# Altium PCB spin5v1_simple.PcbDoc (part 25 of 25)
Units mm, origin at the board's own origin, x right, y up, seen from the top; angles counter-clockwise.
Board outline 220.03 x 233.43 mm, 2 copper layers (TOP, BOTTOM), stack 0.176 mm thick; 1457 components, 4724 nets, 19245 pads, 25289 vias.
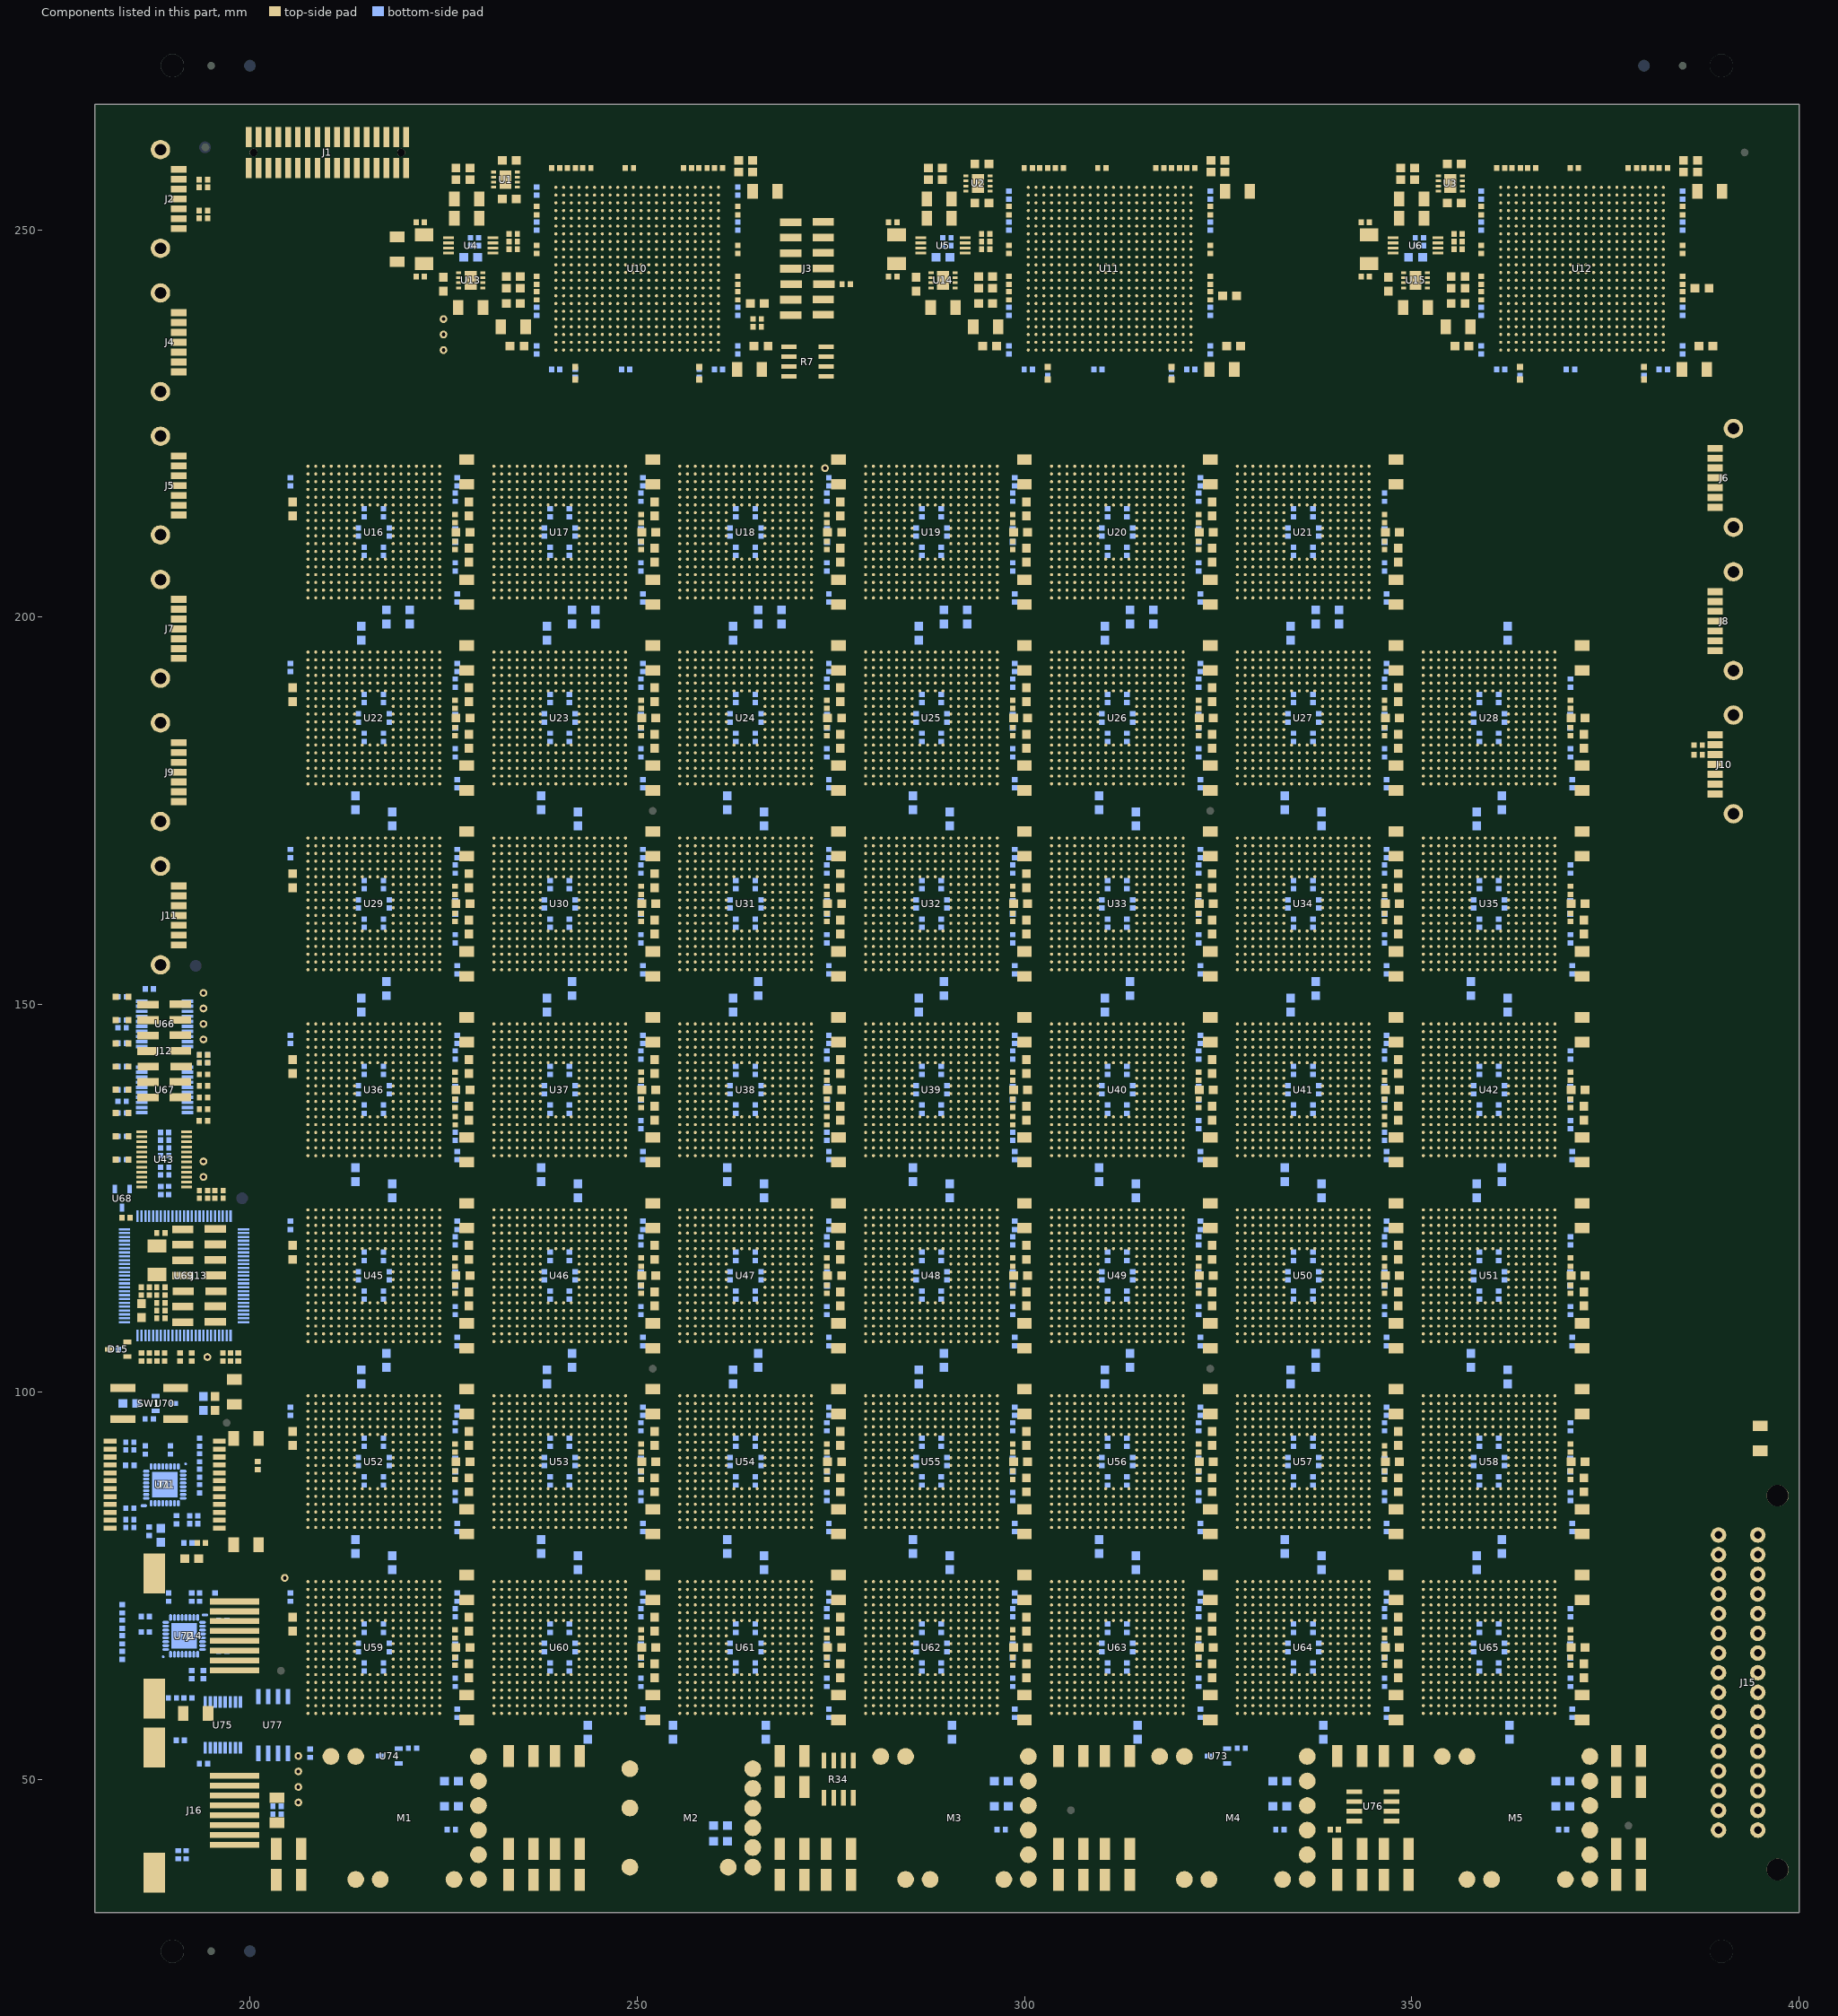
[diagram p25: the components of this part, seen from the top]

## Keep-outs
TOP:
  region: 193.5,272.7 193.5,269.7 196.5,269.7 196.5,272.7 193.5,272.7
  region: 391.5,261.5 391.5,258.5 394.5,258.5 394.5,261.5 391.5,261.5
  region: 193.5,29.3 193.5,26.3 196.5,26.3 196.5,29.3 193.5,29.3
  region: 202.5,65.5 202.5,62.5 205.5,62.5 205.5,65.5 202.5,65.5
  region: 192.751,262.169 192.751,259.169 195.751,259.169 195.751,262.169 192.751,262.169
  region: 376.5,45.5 376.5,42.5 379.5,42.5 379.5,45.5 376.5,45.5
  region: 383.5,272.7 383.5,269.7 386.5,269.7 386.5,272.7 383.5,272.7
BOTTOM:
  region: 200,124 200,126 198,126 198,124 200,124
  region: 253,174 253,176 251,176 251,174 253,174
  region: 307,45 307,47 305,47 305,45 307,45
  region: 201,270.2 201,272.2 199,272.2 199,270.2 201,270.2
  region: 253,102 253,104 251,104 251,102 253,102
  region: 325,102 325,104 323,104 323,102 325,102
  region: 325,174 325,176 323,176 323,174 325,174
  region: 381,270.2 381,272.2 379,272.2 379,270.2 381,270.2
  region: 194.5,156.5 194.5,153.5 191.5,153.5 191.5,156.5 194.5,156.5
  region: 394.5,261.5 394.5,258.5 391.5,258.5 391.5,261.5 394.5,261.5
  region: 201.5,29.3 201.5,26.3 198.5,26.3 198.5,29.3 201.5,29.3
  region: 205.5,65.5 205.5,62.5 202.5,62.5 202.5,65.5 205.5,65.5
  region: 195.703,262.169 195.703,259.169 192.703,259.169 192.703,262.169 195.703,262.169
  region: 379.5,45.5 379.5,42.5 376.5,42.5 376.5,45.5 379.5,45.5
  region: 198.5,97.5 198.5,94.5 195.5,94.5 195.5,97.5 198.5,97.5

## Other copper
TOP:
  pour cut-out: 250.279,46.28 250.238,46.596 250.116,46.89 249.922,47.142 249.67,47.336 249.376,47.458 249.06,47.499 248.744,47.458 248.45,47.336 248.198,47.142 248.004,46.89 247.882,46.596 247.841,46.28 247.882,45.964 248.004,45.67 248.198,45.418 248.45,45.224 248.744,45.102 249.06,45.061 249.376,45.102 249.67,45.224 249.922,45.418 250.116,45.67 250.238,45.964 250.279,46.28
  pour cut-out: 266.149,48.81 266.108,49.126 265.986,49.42 265.792,49.672 265.54,49.866 265.246,49.988 264.93,50.029 264.614,49.988 264.32,49.866 264.068,49.672 263.874,49.42 263.752,49.126 263.711,48.81 263.752,48.494 263.874,48.2 264.068,47.948 264.32,47.754 264.614,47.632 264.93,47.591 265.246,47.632 265.54,47.754 265.792,47.948 265.986,48.2 266.108,48.494 266.149,48.81
  pour cut-out: 230.734,52.94 230.693,53.256 230.571,53.55 230.377,53.802 230.125,53.996 229.831,54.118 229.515,54.159 229.199,54.118 228.905,53.996 228.653,53.802 228.459,53.55 228.337,53.256 228.296,52.94 228.337,52.624 228.459,52.33 228.653,52.078 228.905,51.884 229.199,51.762 229.515,51.721 229.831,51.762 230.125,51.884 230.377,52.078 230.571,52.33 230.693,52.624 230.734,52.94
  pour cut-out: 301.734,52.94 301.693,53.256 301.571,53.55 301.377,53.802 301.125,53.996 300.831,54.118 300.515,54.159 300.199,54.118 299.905,53.996 299.653,53.802 299.459,53.55 299.337,53.256 299.296,52.94 299.337,52.624 299.459,52.33 299.653,52.078 299.905,51.884 300.199,51.762 300.515,51.721 300.831,51.762 301.125,51.884 301.377,52.078 301.571,52.33 301.693,52.624 301.734,52.94
  pour cut-out: 337.734,52.94 337.693,53.256 337.571,53.55 337.377,53.802 337.125,53.996 336.831,54.118 336.515,54.159 336.199,54.118 335.905,53.996 335.653,53.802 335.459,53.55 335.337,53.256 335.296,52.94 335.337,52.624 335.459,52.33 335.653,52.078 335.905,51.884 336.199,51.762 336.515,51.721 336.831,51.762 337.125,51.884 337.377,52.078 337.571,52.33 337.693,52.624 337.734,52.94
  pour cut-out: 374.234,52.94 374.193,53.256 374.071,53.55 373.877,53.802 373.625,53.996 373.331,54.118 373.015,54.159 372.699,54.118 372.405,53.996 372.153,53.802 371.959,53.55 371.837,53.256 371.796,52.94 371.837,52.624 371.959,52.33 372.153,52.078 372.405,51.884 372.699,51.762 373.015,51.721 373.331,51.762 373.625,51.884 373.877,52.078 374.071,52.33 374.193,52.624 374.234,52.94
  pour cut-out: 262.979,38.65 262.938,38.966 262.816,39.26 262.622,39.512 262.37,39.706 262.076,39.828 261.76,39.869 261.444,39.828 261.15,39.706 260.898,39.512 260.704,39.26 260.582,38.966 260.541,38.65 260.582,38.334 260.704,38.04 260.898,37.788 261.15,37.594 261.444,37.472 261.76,37.431 262.076,37.472 262.37,37.594 262.622,37.788 262.816,38.04 262.938,38.334 262.979,38.65
  pour cut-out: 337.734,37.09 337.693,37.406 337.571,37.7 337.377,37.952 337.125,38.146 336.831,38.268 336.515,38.309 336.199,38.268 335.905,38.146 335.653,37.952 335.459,37.7 335.337,37.406 335.296,37.09 335.337,36.774 335.459,36.48 335.653,36.228 335.905,36.034 336.199,35.912 336.515,35.871 336.831,35.912 337.125,36.034 337.377,36.228 337.571,36.48 337.693,36.774 337.734,37.09
  pour cut-out: 374.234,37.09 374.193,37.406 374.071,37.7 373.877,37.952 373.625,38.146 373.331,38.268 373.015,38.309 372.699,38.268 372.405,38.146 372.153,37.952 371.959,37.7 371.837,37.406 371.796,37.09 371.837,36.774 371.959,36.48 372.153,36.228 372.405,36.034 372.699,35.912 373.015,35.871 373.331,35.912 373.625,36.034 373.877,36.228 374.071,36.48 374.193,36.774 374.234,37.09
  pour cut-out: 301.734,37.09 301.693,37.406 301.571,37.7 301.377,37.952 301.125,38.146 300.831,38.268 300.515,38.309 300.199,38.268 299.905,38.146 299.653,37.952 299.459,37.7 299.337,37.406 299.296,37.09 299.337,36.774 299.459,36.48 299.653,36.228 299.905,36.034 300.199,35.912 300.515,35.871 300.831,35.912 301.125,36.034 301.377,36.228 301.571,36.48 301.693,36.774 301.734,37.09
  pour cut-out: 230.734,37.09 230.693,37.406 230.571,37.7 230.377,37.952 230.125,38.146 229.831,38.268 229.515,38.309 229.199,38.268 228.905,38.146 228.653,37.952 228.459,37.7 228.337,37.406 228.296,37.09 228.337,36.774 228.459,36.48 228.653,36.228 228.905,36.034 229.199,35.912 229.515,35.871 229.831,35.912 230.125,36.034 230.377,36.228 230.571,36.48 230.693,36.774 230.734,37.09
  pour cut-out: 250.279,38.65 250.238,38.966 250.116,39.26 249.922,39.512 249.67,39.706 249.376,39.828 249.06,39.869 248.744,39.828 248.45,39.706 248.198,39.512 248.004,39.26 247.882,38.966 247.841,38.65 247.882,38.334 248.004,38.04 248.198,37.788 248.45,37.594 248.744,37.472 249.06,37.431 249.376,37.472 249.67,37.594 249.922,37.788 250.116,38.04 250.238,38.334 250.279,38.65
  pour cut-out: 266.149,41.19 266.108,41.506 265.986,41.8 265.792,42.052 265.54,42.246 265.246,42.368 264.93,42.409 264.614,42.368 264.32,42.246 264.068,42.052 263.874,41.8 263.752,41.506 263.711,41.19 263.752,40.874 263.874,40.58 264.068,40.328 264.32,40.134 264.614,40.012 264.93,39.971 265.246,40.012 265.54,40.134 265.792,40.328 265.986,40.58 266.108,40.874 266.149,41.19
  pour cut-out: 361.544,37.06 361.503,37.376 361.381,37.67 361.187,37.922 360.935,38.116 360.641,38.238 360.325,38.279 360.009,38.238 359.715,38.116 359.463,37.922 359.269,37.67 359.147,37.376 359.106,37.06 359.147,36.744 359.269,36.45 359.463,36.198 359.715,36.004 360.009,35.882 360.325,35.841 360.641,35.882 360.935,36.004 361.187,36.198 361.381,36.45 361.503,36.744 361.544,37.06
  pour cut-out: 325.044,37.06 325.003,37.376 324.881,37.67 324.687,37.922 324.435,38.116 324.141,38.238 323.825,38.279 323.509,38.238 323.215,38.116 322.963,37.922 322.769,37.67 322.647,37.376 322.606,37.06 322.647,36.744 322.769,36.45 322.963,36.198 323.215,36.004 323.509,35.882 323.825,35.841 324.141,35.882 324.435,36.004 324.687,36.198 324.881,36.45 325.003,36.744 325.044,37.06
  pour cut-out: 289.044,37.06 289.003,37.376 288.881,37.67 288.687,37.922 288.435,38.116 288.141,38.238 287.825,38.279 287.509,38.238 287.215,38.116 286.963,37.922 286.769,37.67 286.647,37.376 286.606,37.06 286.647,36.744 286.769,36.45 286.963,36.198 287.215,36.004 287.509,35.882 287.825,35.841 288.141,35.882 288.435,36.004 288.687,36.198 288.881,36.45 289.003,36.744 289.044,37.06
  pour cut-out: 218.044,37.06 218.003,37.376 217.881,37.67 217.687,37.922 217.435,38.116 217.141,38.238 216.825,38.279 216.509,38.238 216.215,38.116 215.963,37.922 215.769,37.67 215.647,37.376 215.606,37.06 215.647,36.744 215.769,36.45 215.963,36.198 216.215,36.004 216.509,35.882 216.825,35.841 217.141,35.882 217.435,36.004 217.687,36.198 217.881,36.45 218.003,36.744 218.044,37.06
  region: 251,174 253,174 253,176 251,176
  region net SENSE12C: 305,45 307,45 307,47 305,47
  region: 251,102 253,102 253,104 251,104
  region: 323,102 325,102 325,104 323,104
  region: 323,174 325,174 325,176 323,176
  region: 196,95 198,95 198,97 196,97
  text "SPIN5v1TOP" at 189.25,36 h2
BOTTOM:
  text "SPIN5v1 BOT" at 202,36 h2
Multi-Layer:
  lines w0.025: 181,24.3 399,24.3 399,275.7 181,275.7 181,24.3

## Silkscreen, mask and mechanical layers (free items; w line width, h text height)
Top Overlay:
  drawing of 19 lines, arcs and shapes, not listed
  text "Dec13" at 390.5,134 h4 r90
  text "DMC,ST" at 390.5,109.5 h4 r90
  text "University of Manchester" at 396.5,109.5 h2.7 r90
  text "SpiNN-5" at 382,108.5 h7 r90
Bottom Overlay:
  lines w0.5: 206,79 212.5,79 ; 206,103 212.5,103 ; 206,127 212.5,127 ; 206,151 212.5,151 ; 206,175 212.5,175 ; 206,199 212.5,199 ; 219.5,79 236.5,79 ; 219.5,103 236.5,103 ; 219.5,127 236.5,127 ; 219.5,151 236.5,151 ; 219.5,175 236.5,175 ; 222.5,199 236.5,199 ; 229.5,221 229.5,55 ; 242.5,55 229.5,55 ; 243.5,79 260.5,79 ; 243.5,103 250,103 ; 243.5,127 260.5,127 ; 243.5,151 260.5,151 ; 243.5,175 250,175 ; 245.5,55 253.5,55 253.5,221 ; 246.5,199 260.5,199 ; 253.5,103 260.5,103 ; 253.5,175 260.5,175 ; 256.5,55 265.5,55 ; 267.5,79 284.5,79 ; 267.5,103 284.5,103 ; 267.5,127 284.5,127 ; 267.5,151 284.5,151 ; 267.5,175 284.5,175 ; 268.5,55 289.5,55 ; 270.5,199 284.5,199 ; 277.5,55 277.5,221 ; 291.5,79 308.5,79 ; 291.5,103 308.5,103 ; 291.5,127 308.5,127 ; 291.5,151 308.5,151 ; 291.5,175 308.5,175 ; 292.5,55 313.5,55 ; 294.5,199 308.5,199 ; 301.5,55 301.5,221 ; 315.5,79 332.5,79 ; 315.5,103 322,103 ; 315.5,127 332.5,127 ; 315.5,151 332.5,151 ; 315.5,175 322,175 ; 316.5,55 337.5,55 ; 318.5,199 332.5,199 ; 325.5,55 325.5,221 ; 325.5,103 332.5,103 ; 325.5,175 332.5,175 ; 339.5,79 356.5,79 ; 339.5,103 356.5,103 ; 339.5,127 356.5,127 ; 339.5,151 356.5,151 ; 339.5,175 356.5,175 ; 340.5,55 361.5,55 ; 342.5,199 360.5,199 ; 349.5,55 349.5,221 206,221 206,55 229.5,55 ; 363.5,79 374,79 ; 363.5,103 374,103 ; 363.5,127 374,127 ; 363.5,151 374,151 ; 363.5,175 374,175 ; 363.5,199 374,199 374,55 364.5,55
  text "2,5" at 212,200 h2
  text "3,6" at 235.5,200 h2
  text "4,7" at 259.5,200 h2
  text "5,7" at 283.5,200 h2
  text "5,6" at 307.5,200 h2
  text "6,7" at 331.5,200 h2
  text "1,4" at 212,176 h2
  text "3,5" at 235.5,176 h2
  text "4,5" at 259.5,176 h2
  text "4,6" at 283.5,176 h2
  text "5,5" at 307.5,176 h2
  text "6,6" at 331.5,176 h2
  text "7,7" at 355.5,176 h2
  text "SpiNN-5" at 382,164.5 h7 r90
  text "DMC,ST" at 390.5,164 h4 r90
  text "University of Manchester" at 396.5,164 h2.7 r90
  text "0,3" at 212,152 h2
  text "2,4" at 235.5,152 h2
  text "3,4" at 259.5,152 h2
  text "4,4" at 283.5,152 h2
  text "5,4" at 307.5,152 h2
  text "6,5" at 331.5,152 h2
  text "7,6" at 355.5,152 h2
  text "Dec13" at 390.5,139.5 h4 r90
  text "1,3" at 212,128 h2
  text "2,3" at 235.5,128 h2
  text "3,3" at 259.5,128 h2
  text "4,3" at 283.5,128 h2
  text "5,3" at 307.5,128 h2
  text "6,4" at 331.5,128 h2
  text "7,5" at 355.5,128 h2
  text "0,2" at 212,104 h2
  text "1,2" at 235.5,104 h2
  text "2,2" at 259.5,104 h2
  text "3,2" at 283.5,104 h2
  text "4,2" at 307.5,104 h2
  text "6,3" at 331.5,104 h2
  text "7,4" at 355.5,104 h2
  text "0,1" at 212,80 h2
  text "1,1" at 235.5,80 h2
  text "2,1" at 259.5,80 h2
  text "4,1" at 307.5,80 h2
  text "5,2" at 331.5,80 h2
  text "7,3" at 355.5,80 h2
  text "3,1" at 283,79.5 h2
  text "0,0" at 212,56 h2
  text "1,0" at 235.5,56 h2
  text "2,0" at 261.5,56 h2
  text "3,0" at 283.5,56 h2
  text "4,0" at 307.5,56 h2
  text "5,1" at 331.5,56 h2
  text "6,2" at 355.5,56 h2
NCLEGEND-1-12:
  lines w0.025: 400.968,100.68 535.968,100.68 ; 400.968,112.68 535.968,112.68 ; 400.968,124.68 535.968,124.68 ; 400.968,136.68 535.968,136.68 ; 400.968,148.68 535.968,148.68 ; 400.968,160.68 535.968,160.68 ; 400.968,172.68 535.968,172.68 ; 400.968,184.68 535.968,184.68 ; 400.968,196.68 535.968,196.68 ; 400.968,208.68 535.968,208.68 ; 413.343,178.68 413.593,178.68 ; 413.468,178.555 413.468,178.805 ; 425.968,88.68 425.968,196.68 ; 478.968,88.68 478.968,196.68 ; 514.468,88.68 514.468,196.68 ; 400.968,88.68 535.968,88.68 535.968,215.18 400.968,215.18 400.968,88.68 ; 411.844,130.68 412.32,131.828 413.468,132.304 414.616,131.828 415.092,130.68 414.616,129.532 413.468,129.056 412.32,129.532 411.844,130.68 ; 412.068,105.28 414.868,105.28 414.868,108.08 412.068,108.08 412.068,105.28 ; 412.968,118.68 413.468,118.18 413.968,118.68 413.468,119.18 412.968,118.68 ; 412.968,142.43 412.968,142.93 413.468,143.18 413.968,142.93 413.968,142.43 413.468,142.18 412.968,142.43 ; 413.093,92.43 ccw(c413.093,94.68) 413.093,96.93 413.843,96.93 ccw(c413.843,94.68) 413.843,92.43 413.093,92.43 ; 413.218,154.68 413.343,154.93 413.593,154.93 413.718,154.68 413.593,154.43 413.343,154.43 413.218,154.68 ; 413.318,166.53 413.318,166.83 413.618,166.83 413.618,166.53 413.318,166.53
  text "DRILL CHART: TOP to BOTTOM" at 426.868,209.18 h4
  text "ALL UNITS ARE IN MILLIMETERS" at 423.668,202.68 h4
  text "FIGURE" at 403.868,190.68 h4
  text "SIZE" at 446.068,190.68 h4
  text "PLATED" at 487.118,190.68 h4
  text "QTY" at 520.418,190.68 h4
  text "0.25" at 446.068,176.68 h4
  text "PLATED" at 487.118,176.68 h4
  text "22226" at 517.218,176.68 h4
  text "0.3" at 447.668,164.68 h4
  text "PLATED" at 487.118,164.68 h4
  text "2059" at 518.818,164.68 h4
  text "0.5" at 447.668,152.68 h4
  text "PLATED" at 487.118,152.68 h4
  text "16" at 522.018,152.68 h4
  text "1.0" at 447.668,140.68 h4
  text "PLATED" at 487.118,140.68 h4
  text "32" at 522.018,140.68 h4
  text "1.5" at 447.668,128.68 h4
  text "PLATED" at 487.118,128.68 h4
  text "18" at 522.018,128.68 h4
  text "1.0" at 447.668,116.68 h4
  text "NON-PLATED" at 480.718,116.68 h4
  text "2" at 523.618,116.68 h4
  text "2.8" at 447.668,104.68 h4
  text "NON-PLATED" at 480.718,104.68 h4
  text "2" at 523.618,104.68 h4
  text "3.0" at 447.668,92.68 h4
  text "NON-PLATED" at 480.718,92.68 h4
  text "4" at 523.618,92.68 h4
NCROUTE_PATH:
  lines w2.4: 183.2,31.6 224.4,31.6 ; 183.2,267.4 224.4,267.4 ; 228.8,31.6 270,31.6 ; 228.8,267.4 270,267.4 ; 274.4,31.6 315.6,31.6 ; 274.4,267.4 315.6,267.4 ; 320,31.6 361.2,31.6 ; 320,267.4 361.2,267.4 ; 365.6,31.6 396.8,31.6 ; 365.6,267.4 396.8,267.4
  text "1" at 229.2,268.2 h4
  text "1" at 321,268.1 h4
  text "1" at 183.2,267.9 h4
  text "1" at 274.8,267.8 h4
  text "1" at 365.4,267.6 h4
  text "1" at 223.5,32.2 h4
  text "1" at 314.4,32.2 h4
  text "1" at 268,31 h4
  text "1" at 394.913,30.988 h4
  text "1" at 360.4,29.2 h4
OUTLINE:
  lines w0.025: 180,22.8 400,22.8 400,276.2 180,276.2 180,22.8 ; 180,32.8 400,32.8 400,266.2 180,266.2 180,32.8
DRAWING_ORIGIN:
  lines w0.025: 299.8,150 300.2,150 ; 300,149.8 300,150.2
PDNS_INVISIBLE:
  drawing of 66020 lines, arcs and shapes, not listed
ASSEMBLY_BOTTOM:
  circle w0.025: c199,125 r1
  circle w0.025: c252,175 r1
  circle w0.025: c306,46 r1
  circle w0.025: c200,271.2 r1
  circle w0.025: c252,103 r1
  circle w0.025: c324,103 r1
  circle w0.025: c324,175 r1
  circle w0.025: c380,271.2 r1
  circle w0.025: c193,155 r1.5
  circle w0.025: c393,260 r1.5
  circle w0.025: c200,27.8 r1.5
  circle w0.025: c204,64 r1.5
  circle w0.025: c194.203,260.669 r1.5
  circle w0.025: c378,44 r1.5
  circle w0.025: c197,96 r1.5
AUTOSILK_BOTTOM:
  text "F*" at 196,275.2 h0.64
  text "F*" at 376,275.2 h0.64
ASSEMBLY_TOP:
  circle w0.025: c306,46 r1
  circle w0.025: c197,96 r1
  circle w0.025: c195,271.2 r1.5
  circle w0.025: c393,260 r1.5
  circle w0.025: c195,27.8 r1.5
  circle w0.025: c194.251,260.669 r1.5
  circle w0.025: c378,44 r1.5
  circle w0.025: c385,271.2 r1.5
  text "TH*" at 191.5,273.7 h0.64
  text "TH*" at 391.5,273.7 h0.64
  text "F*" at 194,272.95 h0.64
  text "F*" at 384,272.95 h0.64
  text "F*" at 193.251,262.419 h0.8
  text "F*" at 392,261.75 h0.8
  text "F*" at 251.25,176.5 h0.8
  text "F*" at 323.25,176.5 h0.8
  text "F*" at 251.25,104.5 h0.8
  text "F*" at 323.25,104.5 h0.8
  text "F*" at 196.25,97.5 h0.8
  text "F*" at 203,65.75 h0.8
  text "F*" at 305.25,47.5 h0.8
  text "F*" at 377,45.75 h0.8
  text "TH*" at 191.5,30.3 h0.64
  text "TH*" at 391.5,30.3 h0.64
  text "F*" at 194,29.55 h0.64
PLACE_BOUND_TOP:
  region: 251,174 253,174 253,176 251,176
  region: 305,45 307,45 307,47 305,47
  region: 251,102 253,102 253,104 251,104
  region: 323,102 325,102 325,104 323,104
  region: 323,174 325,174 325,176 323,176
  region: 196,95 198,95 198,97 196,97
  region: 193.5,269.7 196.5,269.7 196.5,272.7 193.5,272.7
  region: 391.5,258.5 394.5,258.5 394.5,261.5 391.5,261.5
  region: 193.5,26.3 196.5,26.3 196.5,29.3 193.5,29.3
  region: 202.5,62.5 205.5,62.5 205.5,65.5 202.5,65.5
  region: 192.751,259.169 195.751,259.169 195.751,262.169 192.751,262.169
  region: 376.5,42.5 379.5,42.5 379.5,45.5 376.5,45.5
  region: 383.5,269.7 386.5,269.7 386.5,272.7 383.5,272.7
  region: 188.5,269.7 191.5,269.7 191.5,272.7 188.5,272.7
  region: 388.5,269.7 391.5,269.7 391.5,272.7 388.5,272.7
  region: 388.5,26.3 391.5,26.3 391.5,29.3 388.5,29.3
  region: 188.5,26.3 191.5,26.3 191.5,29.3 188.5,29.3

## Text inside footprints (layer, text, board x,y; h text height)
C1: PIN_NUMBER "1" at 233.76,259.62 h0.8 r270; PIN_NUMBER "2" at 231.96,259.65 h0.8 r270
C2: PIN_NUMBER "1" at 262.46,258.38 h0.8 r90; PIN_NUMBER "2" at 264.26,258.35 h0.8 r90
C3: PIN_NUMBER "1" at 323.46,258.38 h0.8 r90; PIN_NUMBER "2" at 325.26,258.35 h0.8 r90
C4: PIN_NUMBER "1" at 384.46,258.38 h0.8 r90; PIN_NUMBER "2" at 386.26,258.35 h0.8 r90
C5: PIN_NUMBER "1" at 294.76,259.12 h0.8 r270; PIN_NUMBER "2" at 292.96,259.15 h0.8 r270
C6: PIN_NUMBER "1" at 355.76,259.12 h0.8 r270; PIN_NUMBER "2" at 353.96,259.15 h0.8 r270
C7: PIN_NUMBER "1" at 227.76,258.62 h0.8 r270; PIN_NUMBER "2" at 225.96,258.65 h0.8 r270
C8: PIN_NUMBER "1" at 238.59,257.61 h0.8 r90; PIN_NUMBER "2" at 239.74,257.55 h0.8 r90
C9: PIN_NUMBER "1" at 240.59,257.61 h0.8 r90; PIN_NUMBER "2" at 241.74,257.55 h0.8 r90
C10: PIN_NUMBER "1" at 242.59,257.61 h0.8 r90; PIN_NUMBER "2" at 243.74,257.55 h0.8 r90
C11: PIN_NUMBER "1" at 255.59,257.61 h0.8 r90; PIN_NUMBER "2" at 256.74,257.55 h0.8 r90
C12: PIN_NUMBER "1" at 257.59,257.61 h0.8 r90; PIN_NUMBER "2" at 258.74,257.55 h0.8 r90
C13: PIN_NUMBER "1" at 259.59,257.61 h0.8 r90; PIN_NUMBER "2" at 260.74,257.55 h0.8 r90
C14: PIN_NUMBER "1" at 288.76,258.62 h0.8 r270; PIN_NUMBER "2" at 286.96,258.65 h0.8 r270
C15: PIN_NUMBER "1" at 299.59,257.61 h0.8 r90; PIN_NUMBER "2" at 300.74,257.55 h0.8 r90
C16: PIN_NUMBER "1" at 301.59,257.61 h0.8 r90; PIN_NUMBER "2" at 302.74,257.55 h0.8 r90
C17: PIN_NUMBER "1" at 303.59,257.61 h0.8 r90; PIN_NUMBER "2" at 304.74,257.55 h0.8 r90
C18: PIN_NUMBER "1" at 316.59,257.61 h0.8 r90; PIN_NUMBER "2" at 317.74,257.55 h0.8 r90
C19: PIN_NUMBER "1" at 318.59,257.61 h0.8 r90; PIN_NUMBER "2" at 319.74,257.55 h0.8 r90
C20: PIN_NUMBER "1" at 320.59,257.61 h0.8 r90; PIN_NUMBER "2" at 321.74,257.55 h0.8 r90
C21: PIN_NUMBER "1" at 349.76,258.62 h0.8 r270; PIN_NUMBER "2" at 347.96,258.65 h0.8 r270
C22: PIN_NUMBER "1" at 360.59,257.61 h0.8 r90; PIN_NUMBER "2" at 361.74,257.55 h0.8 r90
C23: PIN_NUMBER "1" at 362.59,257.61 h0.8 r90; PIN_NUMBER "2" at 363.74,257.55 h0.8 r90
C24: PIN_NUMBER "1" at 364.59,257.61 h0.8 r90; PIN_NUMBER "2" at 365.74,257.55 h0.8 r90
C25: PIN_NUMBER "1" at 377.59,257.61 h0.8 r90; PIN_NUMBER "2" at 378.74,257.55 h0.8 r90
C26: PIN_NUMBER "1" at 379.59,257.61 h0.8 r90; PIN_NUMBER "2" at 380.74,257.55 h0.8 r90
C27: PIN_NUMBER "1" at 381.59,257.61 h0.8 r90; PIN_NUMBER "2" at 382.74,257.55 h0.8 r90
C28: PIN_NUMBER "1" at 262.46,256.88 h0.8 r90; PIN_NUMBER "2" at 264.26,256.85 h0.8 r90
C29: PIN_NUMBER "1" at 323.46,256.88 h0.8 r90; PIN_NUMBER "2" at 325.26,256.85 h0.8 r90
C30: PIN_NUMBER "1" at 384.46,256.88 h0.8 r90; PIN_NUMBER "2" at 386.26,256.85 h0.8 r90
C31: PIN_NUMBER "1" at 193.09,256.11 h0.8 r90; PIN_NUMBER "2" at 194.24,256.05 h0.8 r90
C32: PIN_NUMBER "1" at 227.76,257.12 h0.8 r270; PIN_NUMBER "2" at 225.96,257.15 h0.8 r270
C33: PIN_NUMBER "1" at 288.76,257.12 h0.8 r270; PIN_NUMBER "2" at 286.96,257.15 h0.8 r270
C34: PIN_NUMBER "1" at 349.76,257.12 h0.8 r270; PIN_NUMBER "2" at 347.96,257.15 h0.8 r270
C35: PIN_NUMBER "1" at 193.09,255.11 h0.8 r90; PIN_NUMBER "2" at 194.24,255.05 h0.8 r90
C39: PIN_NUMBER "1" at 233.76,254.62 h0.8 r270; PIN_NUMBER "2" at 231.96,254.65 h0.8 r270
C43: PIN_NUMBER "1" at 294.76,254.12 h0.8 r270; PIN_NUMBER "2" at 292.96,254.15 h0.8 r270
C44: PIN_NUMBER "1" at 355.76,254.12 h0.8 r270; PIN_NUMBER "2" at 353.96,254.15 h0.8 r270
C45: PIN_NUMBER "1" at 193.09,252.11 h0.8 r90; PIN_NUMBER "2" at 194.24,252.05 h0.8 r90
C46: PIN_NUMBER "1" at 236.75,252.23 h0.8 r180; PIN_NUMBER "2" at 236.81,253.38 h0.8 r180
C47: PIN_NUMBER "1" at 261.97,252.77 h0.8; PIN_NUMBER "2" at 261.91,251.62 h0.8
C48: PIN_NUMBER "1" at 297.75,252.23 h0.8 r180; PIN_NUMBER "2" at 297.81,253.38 h0.8 r180
C49: PIN_NUMBER "1" at 322.97,252.77 h0.8; PIN_NUMBER "2" at 322.91,251.62 h0.8
C50: PIN_NUMBER "1" at 358.75,252.23 h0.8 r180; PIN_NUMBER "2" at 358.81,253.38 h0.8 r180
C51: PIN_NUMBER "1" at 383.97,252.77 h0.8; PIN_NUMBER "2" at 383.91,251.62 h0.8
C52: PIN_NUMBER "1" at 193.09,251.11 h0.8 r90; PIN_NUMBER "2" at 194.24,251.05 h0.8 r90
C56: PIN_NUMBER "1" at 221.63,251.39 h0.8 r270; PIN_NUMBER "2" at 220.48,251.45 h0.8 r270
C57: PIN_NUMBER "1" at 282.63,251.39 h0.8 r270; PIN_NUMBER "2" at 281.48,251.45 h0.8 r270
C58: PIN_NUMBER "1" at 343.63,251.39 h0.8 r270; PIN_NUMBER "2" at 342.48,251.45 h0.8 r270
C59: PIN_NUMBER "1" at 233.09,249.11 h0.8 r90; PIN_NUMBER "2" at 234.24,249.05 h0.8 r90
C60: PIN_NUMBER "1" at 294.09,249.11 h0.8 r90; PIN_NUMBER "2" at 295.24,249.05 h0.8 r90
C61: PIN_NUMBER "1" at 355.09,249.11 h0.8 r90; PIN_NUMBER "2" at 356.24,249.05 h0.8 r90
C62: PIN_NUMBER "2" at 232.48,248.95 h0.8 r270; PIN_NUMBER "1" at 233.63,248.89 h0.8 r270
C63: PIN_NUMBER "2" at 293.48,248.95 h0.8 r270; PIN_NUMBER "1" at 294.63,248.89 h0.8 r270
C64: PIN_NUMBER "2" at 354.48,248.95 h0.8 r270; PIN_NUMBER "1" at 355.63,248.89 h0.8 r270
C65: PIN_NUMBER "2" at 232.48,247.95 h0.8 r270; PIN_NUMBER "1" at 233.63,247.89 h0.8 r270
C66: PIN_NUMBER "1" at 236.75,247.23 h0.8 r180; PIN_NUMBER "2" at 236.81,248.38 h0.8 r180
C67: PIN_NUMBER "1" at 261.97,247.77 h0.8; PIN_NUMBER "2" at 261.91,246.62 h0.8
C68: PIN_NUMBER "2" at 293.48,247.95 h0.8 r270; PIN_NUMBER "1" at 294.63,247.89 h0.8 r270
C69: PIN_NUMBER "1" at 297.75,247.23 h0.8 r180; PIN_NUMBER "2" at 297.81,248.38 h0.8 r180
C70: PIN_NUMBER "1" at 322.97,247.77 h0.8; PIN_NUMBER "2" at 322.91,246.62 h0.8
C71: PIN_NUMBER "2" at 354.48,247.95 h0.8 r270; PIN_NUMBER "1" at 355.63,247.89 h0.8 r270
C72: PIN_NUMBER "1" at 358.75,247.23 h0.8 r180; PIN_NUMBER "2" at 358.81,248.38 h0.8 r180
C73: PIN_NUMBER "1" at 383.97,247.77 h0.8; PIN_NUMBER "2" at 383.91,246.62 h0.8
C74: PIN_NUMBER "1" at 221.63,244.39 h0.8 r270; PIN_NUMBER "2" at 220.48,244.45 h0.8 r270
C75: PIN_NUMBER "1" at 234.26,244.62 h0.8 r270; PIN_NUMBER "2" at 232.46,244.65 h0.8 r270
C76: PIN_NUMBER "1" at 282.63,244.39 h0.8 r270; PIN_NUMBER "2" at 281.48,244.45 h0.8 r270
C77: PIN_NUMBER "1" at 295.26,244.62 h0.8 r270; PIN_NUMBER "2" at 293.46,244.65 h0.8 r270
C78: PIN_NUMBER "1" at 343.63,244.39 h0.8 r270; PIN_NUMBER "2" at 342.48,244.45 h0.8 r270
C79: PIN_NUMBER "1" at 356.26,244.62 h0.8 r270; PIN_NUMBER "2" at 354.46,244.65 h0.8 r270
C80: PIN_NUMBER "1" at 236.75,243.23 h0.8 r180; PIN_NUMBER "2" at 236.81,244.38 h0.8 r180
C81: PIN_NUMBER "1" at 261.97,243.77 h0.8; PIN_NUMBER "2" at 261.91,242.62 h0.8
C82: PIN_NUMBER "1" at 297.75,243.23 h0.8 r180; PIN_NUMBER "2" at 297.81,244.38 h0.8 r180
C83: PIN_NUMBER "1" at 322.97,243.77 h0.8; PIN_NUMBER "2" at 322.91,242.62 h0.8
C84: PIN_NUMBER "1" at 358.75,243.23 h0.8 r180; PIN_NUMBER "2" at 358.81,244.38 h0.8 r180
C85: PIN_NUMBER "1" at 383.97,243.77 h0.8; PIN_NUMBER "2" at 383.91,242.62 h0.8
C86: PIN_NUMBER "1" at 223.74,243.9 h0.8; PIN_NUMBER "2" at 223.71,242.1 h0.8
C87: PIN_NUMBER "1" at 284.74,243.9 h0.8; PIN_NUMBER "2" at 284.71,242.1 h0.8
C88: PIN_NUMBER "1" at 345.74,243.9 h0.8; PIN_NUMBER "2" at 345.71,242.1 h0.8
C89: PIN_NUMBER "1" at 234.26,243.12 h0.8 r270; PIN_NUMBER "2" at 232.46,243.15 h0.8 r270
C90: PIN_NUMBER "1" at 295.26,243.12 h0.8 r270; PIN_NUMBER "2" at 293.46,243.15 h0.8 r270
C91: PIN_NUMBER "1" at 356.26,243.12 h0.8 r270; PIN_NUMBER "2" at 354.46,243.15 h0.8 r270
C92: PIN_NUMBER "1" at 385.96,241.88 h0.8 r90; PIN_NUMBER "2" at 387.76,241.85 h0.8 r90
C93: PIN_NUMBER "1" at 236.75,241.23 h0.8 r180; PIN_NUMBER "2" at 236.81,242.38 h0.8 r180
C94: PIN_NUMBER "1" at 261.97,241.77 h0.8; PIN_NUMBER "2" at 261.91,240.62 h0.8
C95: PIN_NUMBER "1" at 297.75,241.23 h0.8 r180; PIN_NUMBER "2" at 297.81,242.38 h0.8 r180
C96: PIN_NUMBER "1" at 322.97,241.77 h0.8; PIN_NUMBER "2" at 322.91,240.62 h0.8
C97: PIN_NUMBER "1" at 324.96,240.88 h0.8 r90; PIN_NUMBER "2" at 326.76,240.85 h0.8 r90
C98: PIN_NUMBER "1" at 358.75,241.23 h0.8 r180; PIN_NUMBER "2" at 358.81,242.38 h0.8 r180
C99: PIN_NUMBER "1" at 383.97,241.77 h0.8; PIN_NUMBER "2" at 383.91,240.62 h0.8
C100: PIN_NUMBER "1" at 234.26,241.12 h0.8 r270; PIN_NUMBER "2" at 232.46,241.15 h0.8 r270
C101: PIN_NUMBER "1" at 263.96,239.88 h0.8 r90; PIN_NUMBER "2" at 265.76,239.85 h0.8 r90
C102: PIN_NUMBER "1" at 295.26,241.12 h0.8 r270; PIN_NUMBER "2" at 293.46,241.15 h0.8 r270
C103: PIN_NUMBER "1" at 356.26,241.12 h0.8 r270; PIN_NUMBER "2" at 354.46,241.15 h0.8 r270
C110: PIN_NUMBER "1" at 234.76,235.62 h0.8 r270; PIN_NUMBER "2" at 232.96,235.65 h0.8 r270
C111: PIN_NUMBER "1" at 264.46,234.38 h0.8 r90; PIN_NUMBER "2" at 266.26,234.35 h0.8 r90
C112: PIN_NUMBER "1" at 295.76,235.62 h0.8 r270; PIN_NUMBER "2" at 293.96,235.65 h0.8 r270
C113: PIN_NUMBER "1" at 325.46,234.38 h0.8 r90; PIN_NUMBER "2" at 327.26,234.35 h0.8 r90
C114: PIN_NUMBER "1" at 356.76,235.62 h0.8 r270; PIN_NUMBER "2" at 354.96,235.65 h0.8 r270
C115: PIN_NUMBER "1" at 386.46,234.38 h0.8 r90; PIN_NUMBER "2" at 388.26,234.35 h0.8 r90
C119: PIN_NUMBER "1" at 190.44,219.15 h0.8 r270; PIN_NUMBER "2" at 189.29,219.09 h0.8 r270
C120: PIN_NUMBER "1" at 226.35,220.35 h0.8; PIN_NUMBER "2" at 226.33,217.15 h0.8
C121: PIN_NUMBER "1" at 250.35,220.35 h0.8; PIN_NUMBER "2" at 250.33,217.15 h0.8
C122: PIN_NUMBER "1" at 274.35,220.35 h0.8; PIN_NUMBER "2" at 274.33,217.15 h0.8
C123: PIN_NUMBER "1" at 298.35,220.35 h0.8; PIN_NUMBER "2" at 298.33,217.15 h0.8
C124: PIN_NUMBER "1" at 322.35,220.35 h0.8; PIN_NUMBER "2" at 322.33,217.15 h0.8
C125: PIN_NUMBER "1" at 346.35,220.35 h0.8; PIN_NUMBER "2" at 346.33,217.15 h0.8
C126: PIN_NUMBER "1" at 190.44,217.88 h0.8 r270; PIN_NUMBER "2" at 189.29,217.82 h0.8 r270
C127: PIN_NUMBER "1" at 190.44,215.34 h0.8 r270; PIN_NUMBER "2" at 189.29,215.28 h0.8 r270
C128: PIN_NUMBER "1" at 204.24,214.9 h0.8; PIN_NUMBER "2" at 204.21,213.1 h0.8
C129: PIN_NUMBER "1" at 190.44,214.07 h0.8 r270; PIN_NUMBER "2" at 189.29,214.01 h0.8 r270
C130: PIN_NUMBER "1" at 228.23,213.1 h0.8 r180; PIN_NUMBER "2" at 228.26,214.9 h0.8 r180
C131: PIN_NUMBER "1" at 252.23,213.1 h0.8 r180; PIN_NUMBER "2" at 252.26,214.9 h0.8 r180
C132: PIN_NUMBER "1" at 276.23,213.1 h0.8 r180; PIN_NUMBER "2" at 276.26,214.9 h0.8 r180
C133: PIN_NUMBER "1" at 300.23,213.1 h0.8 r180; PIN_NUMBER "2" at 300.26,214.9 h0.8 r180
C134: PIN_NUMBER "1" at 324.23,213.1 h0.8 r180; PIN_NUMBER "2" at 324.26,214.9 h0.8 r180
C135: PIN_NUMBER "1" at 226.25,212.48 h0.8 r180; PIN_NUMBER "2" at 226.31,213.63 h0.8 r180
C136: PIN_NUMBER "1" at 250.25,212.48 h0.8 r180; PIN_NUMBER "2" at 250.31,213.63 h0.8 r180
C137: PIN_NUMBER "1" at 274.25,212.48 h0.8 r180; PIN_NUMBER "2" at 274.31,213.63 h0.8 r180
C138: PIN_NUMBER "1" at 298.25,212.48 h0.8 r180; PIN_NUMBER "2" at 298.31,213.63 h0.8 r180
C139: PIN_NUMBER "1" at 322.25,212.48 h0.8 r180; PIN_NUMBER "2" at 322.31,213.63 h0.8 r180
C140: PIN_NUMBER "1" at 346.25,212.48 h0.8 r180; PIN_NUMBER "2" at 346.31,213.63 h0.8 r180
C141: PIN_NUMBER "1" at 225.47,209.52 h0.8; PIN_NUMBER "2" at 225.41,208.37 h0.8
C142: PIN_NUMBER "1" at 249.47,209.52 h0.8; PIN_NUMBER "2" at 249.41,208.37 h0.8
C143: PIN_NUMBER "1" at 273.47,209.52 h0.8; PIN_NUMBER "2" at 273.41,208.37 h0.8
C144: PIN_NUMBER "1" at 297.47,209.52 h0.8; PIN_NUMBER "2" at 297.41,208.37 h0.8
C145: PIN_NUMBER "1" at 321.47,209.52 h0.8; PIN_NUMBER "2" at 321.41,208.37 h0.8
C146: PIN_NUMBER "1" at 345.47,209.52 h0.8; PIN_NUMBER "2" at 345.41,208.37 h0.8
C147: PIN_NUMBER "1" at 226.99,208.9 h0.8; PIN_NUMBER "2" at 226.96,207.1 h0.8
C148: PIN_NUMBER "1" at 250.99,208.9 h0.8; PIN_NUMBER "2" at 250.96,207.1 h0.8
C149: PIN_NUMBER "1" at 274.99,208.9 h0.8; PIN_NUMBER "2" at 274.96,207.1 h0.8
C150: PIN_NUMBER "1" at 298.99,208.9 h0.8; PIN_NUMBER "2" at 298.96,207.1 h0.8
C151: PIN_NUMBER "1" at 322.99,208.9 h0.8; PIN_NUMBER "2" at 322.96,207.1 h0.8
C152: PIN_NUMBER "1" at 346.99,208.9 h0.8; PIN_NUMBER "2" at 346.96,207.1 h0.8
C153: PIN_NUMBER "1" at 228.37,201.65 h0.8 r180; PIN_NUMBER "2" at 228.39,204.85 h0.8 r180
C154: PIN_NUMBER "1" at 252.37,201.65 h0.8 r180; PIN_NUMBER "2" at 252.39,204.85 h0.8 r180
C155: PIN_NUMBER "1" at 276.37,201.65 h0.8 r180; PIN_NUMBER "2" at 276.39,204.85 h0.8 r180
C156: PIN_NUMBER "1" at 300.37,201.65 h0.8 r180; PIN_NUMBER "2" at 300.39,204.85 h0.8 r180
C157: PIN_NUMBER "1" at 324.37,201.65 h0.8 r180; PIN_NUMBER "2" at 324.39,204.85 h0.8 r180
C158: PIN_NUMBER "1" at 348.37,201.65 h0.8 r180; PIN_NUMBER "2" at 348.39,204.85 h0.8 r180
C159: PIN_NUMBER "1" at 226.35,196.35 h0.8; PIN_NUMBER "2" at 226.33,193.15 h0.8
C160: PIN_NUMBER "1" at 250.35,196.35 h0.8; PIN_NUMBER "2" at 250.33,193.15 h0.8
C161: PIN_NUMBER "1" at 274.35,196.35 h0.8; PIN_NUMBER "2" at 274.33,193.15 h0.8
C162: PIN_NUMBER "1" at 298.35,196.35 h0.8; PIN_NUMBER "2" at 298.33,193.15 h0.8
C163: PIN_NUMBER "1" at 322.35,196.35 h0.8; PIN_NUMBER "2" at 322.33,193.15 h0.8
C164: PIN_NUMBER "1" at 346.35,196.35 h0.8; PIN_NUMBER "2" at 346.33,193.15 h0.8
C165: PIN_NUMBER "1" at 370.35,196.35 h0.8; PIN_NUMBER "2" at 370.33,193.15 h0.8
C166: PIN_NUMBER "1" at 204.24,190.9 h0.8; PIN_NUMBER "2" at 204.21,189.1 h0.8
C167: PIN_NUMBER "1" at 228.23,189.1 h0.8 r180; PIN_NUMBER "2" at 228.26,190.9 h0.8 r180
C168: PIN_NUMBER "1" at 252.23,189.1 h0.8 r180; PIN_NUMBER "2" at 252.26,190.9 h0.8 r180
C169: PIN_NUMBER "1" at 276.23,189.1 h0.8 r180; PIN_NUMBER "2" at 276.26,190.9 h0.8 r180
C170: PIN_NUMBER "1" at 300.23,189.1 h0.8 r180; PIN_NUMBER "2" at 300.26,190.9 h0.8 r180
C171: PIN_NUMBER "1" at 324.23,189.1 h0.8 r180; PIN_NUMBER "2" at 324.26,190.9 h0.8 r180
C172: PIN_NUMBER "1" at 348.23,189.1 h0.8 r180; PIN_NUMBER "2" at 348.26,190.9 h0.8 r180
C173: PIN_NUMBER "1" at 226.25,188.48 h0.8 r180; PIN_NUMBER "2" at 226.31,189.63 h0.8 r180
C174: PIN_NUMBER "1" at 250.25,188.48 h0.8 r180; PIN_NUMBER "2" at 250.31,189.63 h0.8 r180
C175: PIN_NUMBER "1" at 274.25,188.48 h0.8 r180; PIN_NUMBER "2" at 274.31,189.63 h0.8 r180
C176: PIN_NUMBER "1" at 298.25,188.48 h0.8 r180; PIN_NUMBER "2" at 298.31,189.63 h0.8 r180
C177: PIN_NUMBER "1" at 322.25,188.48 h0.8 r180; PIN_NUMBER "2" at 322.31,189.63 h0.8 r180
C178: PIN_NUMBER "1" at 346.25,188.48 h0.8 r180; PIN_NUMBER "2" at 346.31,189.63 h0.8 r180
C179: PIN_NUMBER "1" at 370.25,188.48 h0.8 r180; PIN_NUMBER "2" at 370.31,189.63 h0.8 r180
C180: PIN_NUMBER "1" at 225.47,185.52 h0.8; PIN_NUMBER "2" at 225.41,184.37 h0.8
C181: PIN_NUMBER "1" at 249.47,185.52 h0.8; PIN_NUMBER "2" at 249.41,184.37 h0.8
C182: PIN_NUMBER "1" at 273.47,185.52 h0.8; PIN_NUMBER "2" at 273.41,184.37 h0.8
C183: PIN_NUMBER "1" at 297.47,185.52 h0.8; PIN_NUMBER "2" at 297.41,184.37 h0.8
C184: PIN_NUMBER "1" at 321.47,185.52 h0.8; PIN_NUMBER "2" at 321.41,184.37 h0.8
C185: PIN_NUMBER "1" at 345.47,185.52 h0.8; PIN_NUMBER "2" at 345.41,184.37 h0.8
C186: PIN_NUMBER "1" at 369.47,185.52 h0.8; PIN_NUMBER "2" at 369.41,184.37 h0.8
C187: PIN_NUMBER "1" at 226.99,184.9 h0.8; PIN_NUMBER "2" at 226.96,183.1 h0.8
C188: PIN_NUMBER "1" at 250.99,184.9 h0.8; PIN_NUMBER "2" at 250.96,183.1 h0.8
C189: PIN_NUMBER "1" at 274.99,184.9 h0.8; PIN_NUMBER "2" at 274.96,183.1 h0.8
C190: PIN_NUMBER "1" at 298.99,184.9 h0.8; PIN_NUMBER "2" at 298.96,183.1 h0.8
C191: PIN_NUMBER "1" at 322.99,184.9 h0.8; PIN_NUMBER "2" at 322.96,183.1 h0.8
C192: PIN_NUMBER "1" at 346.99,184.9 h0.8; PIN_NUMBER "2" at 346.96,183.1 h0.8
C193: PIN_NUMBER "1" at 370.99,184.9 h0.8; PIN_NUMBER "2" at 370.96,183.1 h0.8
C194: PIN_NUMBER "2" at 385.48,183.95 h0.8 r270; PIN_NUMBER "1" at 386.63,183.89 h0.8 r270
C195: PIN_NUMBER "2" at 385.48,182.7 h0.8 r270; PIN_NUMBER "1" at 386.63,182.64 h0.8 r270
C196: PIN_NUMBER "1" at 228.37,177.65 h0.8 r180; PIN_NUMBER "2" at 228.39,180.85 h0.8 r180
C197: PIN_NUMBER "1" at 252.37,177.65 h0.8 r180; PIN_NUMBER "2" at 252.39,180.85 h0.8 r180
C198: PIN_NUMBER "1" at 276.37,177.65 h0.8 r180; PIN_NUMBER "2" at 276.39,180.85 h0.8 r180
C199: PIN_NUMBER "1" at 300.37,177.65 h0.8 r180; PIN_NUMBER "2" at 300.39,180.85 h0.8 r180
C200: PIN_NUMBER "1" at 324.37,177.65 h0.8 r180; PIN_NUMBER "2" at 324.39,180.85 h0.8 r180
C201: PIN_NUMBER "1" at 348.37,177.65 h0.8 r180; PIN_NUMBER "2" at 348.39,180.85 h0.8 r180
C202: PIN_NUMBER "1" at 372.37,177.65 h0.8 r180; PIN_NUMBER "2" at 372.39,180.85 h0.8 r180
C203: PIN_NUMBER "1" at 226.35,172.35 h0.8; PIN_NUMBER "2" at 226.33,169.15 h0.8
C204: PIN_NUMBER "1" at 250.35,172.35 h0.8; PIN_NUMBER "2" at 250.33,169.15 h0.8
C205: PIN_NUMBER "1" at 274.35,172.35 h0.8; PIN_NUMBER "2" at 274.33,169.15 h0.8
C206: PIN_NUMBER "1" at 298.35,172.35 h0.8; PIN_NUMBER "2" at 298.33,169.15 h0.8
C207: PIN_NUMBER "1" at 322.35,172.35 h0.8; PIN_NUMBER "2" at 322.33,169.15 h0.8
C208: PIN_NUMBER "1" at 346.35,172.35 h0.8; PIN_NUMBER "2" at 346.33,169.15 h0.8
C209: PIN_NUMBER "1" at 370.35,172.35 h0.8; PIN_NUMBER "2" at 370.33,169.15 h0.8
C210: PIN_NUMBER "1" at 204.24,166.9 h0.8; PIN_NUMBER "2" at 204.21,165.1 h0.8
C211: PIN_NUMBER "1" at 228.23,165.1 h0.8 r180; PIN_NUMBER "2" at 228.26,166.9 h0.8 r180
C212: PIN_NUMBER "1" at 252.23,165.1 h0.8 r180; PIN_NUMBER "2" at 252.26,166.9 h0.8 r180
C213: PIN_NUMBER "1" at 276.23,165.1 h0.8 r180; PIN_NUMBER "2" at 276.26,166.9 h0.8 r180
C214: PIN_NUMBER "1" at 300.23,165.1 h0.8 r180; PIN_NUMBER "2" at 300.26,166.9 h0.8 r180
C215: PIN_NUMBER "1" at 324.23,165.1 h0.8 r180; PIN_NUMBER "2" at 324.26,166.9 h0.8 r180
C216: PIN_NUMBER "1" at 348.23,165.1 h0.8 r180; PIN_NUMBER "2" at 348.26,166.9 h0.8 r180
C217: PIN_NUMBER "1" at 226.25,164.48 h0.8 r180; PIN_NUMBER "2" at 226.31,165.63 h0.8 r180
C218: PIN_NUMBER "1" at 250.25,164.48 h0.8 r180; PIN_NUMBER "2" at 250.31,165.63 h0.8 r180
C219: PIN_NUMBER "1" at 274.25,164.48 h0.8 r180; PIN_NUMBER "2" at 274.31,165.63 h0.8 r180
C220: PIN_NUMBER "1" at 298.25,164.48 h0.8 r180; PIN_NUMBER "2" at 298.31,165.63 h0.8 r180
C221: PIN_NUMBER "1" at 322.25,164.48 h0.8 r180; PIN_NUMBER "2" at 322.31,165.63 h0.8 r180
C222: PIN_NUMBER "1" at 346.25,164.48 h0.8 r180; PIN_NUMBER "2" at 346.31,165.63 h0.8 r180
C223: PIN_NUMBER "1" at 370.25,164.48 h0.8 r180; PIN_NUMBER "2" at 370.31,165.63 h0.8 r180
C224: PIN_NUMBER "2" at 189.29,163.59 h0.8 r270; PIN_NUMBER "1" at 190.44,163.65 h0.8 r270
C225: PIN_NUMBER "2" at 189.29,162.32 h0.8 r270; PIN_NUMBER "1" at 190.44,162.38 h0.8 r270
C226: PIN_NUMBER "1" at 225.47,161.52 h0.8; PIN_NUMBER "2" at 225.41,160.37 h0.8
C227: PIN_NUMBER "1" at 249.47,161.52 h0.8; PIN_NUMBER "2" at 249.41,160.37 h0.8
C228: PIN_NUMBER "1" at 273.47,161.52 h0.8; PIN_NUMBER "2" at 273.41,160.37 h0.8
C229: PIN_NUMBER "1" at 297.47,161.52 h0.8; PIN_NUMBER "2" at 297.41,160.37 h0.8
C230: PIN_NUMBER "1" at 321.47,161.52 h0.8; PIN_NUMBER "2" at 321.41,160.37 h0.8
C231: PIN_NUMBER "1" at 345.47,161.52 h0.8; PIN_NUMBER "2" at 345.41,160.37 h0.8
C232: PIN_NUMBER "1" at 369.47,161.52 h0.8; PIN_NUMBER "2" at 369.41,160.37 h0.8
C233: PIN_NUMBER "1" at 226.99,160.9 h0.8; PIN_NUMBER "2" at 226.96,159.1 h0.8
C234: PIN_NUMBER "1" at 250.99,160.9 h0.8; PIN_NUMBER "2" at 250.96,159.1 h0.8
C235: PIN_NUMBER "1" at 274.99,160.9 h0.8; PIN_NUMBER "2" at 274.96,159.1 h0.8
C236: PIN_NUMBER "1" at 298.99,160.9 h0.8; PIN_NUMBER "2" at 298.96,159.1 h0.8
C237: PIN_NUMBER "1" at 322.99,160.9 h0.8; PIN_NUMBER "2" at 322.96,159.1 h0.8
C238: PIN_NUMBER "1" at 346.99,160.9 h0.8; PIN_NUMBER "2" at 346.96,159.1 h0.8
C239: PIN_NUMBER "1" at 370.99,160.9 h0.8; PIN_NUMBER "2" at 370.96,159.1 h0.8
C240: PIN_NUMBER "2" at 189.29,159.78 h0.8 r270; PIN_NUMBER "1" at 190.44,159.84 h0.8 r270
C241: PIN_NUMBER "2" at 189.29,158.51 h0.8 r270; PIN_NUMBER "1" at 190.44,158.57 h0.8 r270
C242: PIN_NUMBER "1" at 228.37,153.65 h0.8 r180; PIN_NUMBER "2" at 228.39,156.85 h0.8 r180
C243: PIN_NUMBER "1" at 252.37,153.65 h0.8 r180; PIN_NUMBER "2" at 252.39,156.85 h0.8 r180
C244: PIN_NUMBER "1" at 276.37,153.65 h0.8 r180; PIN_NUMBER "2" at 276.39,156.85 h0.8 r180
C245: PIN_NUMBER "1" at 300.37,153.65 h0.8 r180; PIN_NUMBER "2" at 300.39,156.85 h0.8 r180
C246: PIN_NUMBER "1" at 324.37,153.65 h0.8 r180; PIN_NUMBER "2" at 324.39,156.85 h0.8 r180
C247: PIN_NUMBER "1" at 348.37,153.65 h0.8 r180; PIN_NUMBER "2" at 348.39,156.85 h0.8 r180
C248: PIN_NUMBER "1" at 372.37,153.65 h0.8 r180; PIN_NUMBER "2" at 372.39,156.85 h0.8 r180
C249: PIN_NUMBER "1" at 226.35,148.35 h0.8; PIN_NUMBER "2" at 226.33,145.15 h0.8
C250: PIN_NUMBER "1" at 250.35,148.35 h0.8; PIN_NUMBER "2" at 250.33,145.15 h0.8
C251: PIN_NUMBER "1" at 274.35,148.35 h0.8; PIN_NUMBER "2" at 274.33,145.15 h0.8
C252: PIN_NUMBER "1" at 298.35,148.35 h0.8; PIN_NUMBER "2" at 298.33,145.15 h0.8
C253: PIN_NUMBER "1" at 322.35,148.35 h0.8; PIN_NUMBER "2" at 322.33,145.15 h0.8
C254: PIN_NUMBER "1" at 346.35,148.35 h0.8; PIN_NUMBER "2" at 346.33,145.15 h0.8
C255: PIN_NUMBER "1" at 370.35,148.35 h0.8; PIN_NUMBER "2" at 370.33,145.15 h0.8
C256: PIN_NUMBER "1" at 204.24,142.9 h0.8; PIN_NUMBER "2" at 204.21,141.1 h0.8
C257: PIN_NUMBER "1" at 228.23,141.1 h0.8 r180; PIN_NUMBER "2" at 228.26,142.9 h0.8 r180
C258: PIN_NUMBER "1" at 252.23,141.1 h0.8 r180; PIN_NUMBER "2" at 252.26,142.9 h0.8 r180
C259: PIN_NUMBER "1" at 276.23,141.1 h0.8 r180; PIN_NUMBER "2" at 276.26,142.9 h0.8 r180
C260: PIN_NUMBER "1" at 300.23,141.1 h0.8 r180; PIN_NUMBER "2" at 300.26,142.9 h0.8 r180
C261: PIN_NUMBER "1" at 324.23,141.1 h0.8 r180; PIN_NUMBER "2" at 324.26,142.9 h0.8 r180
C262: PIN_NUMBER "1" at 348.23,141.1 h0.8 r180; PIN_NUMBER "2" at 348.26,142.9 h0.8 r180
C263: PIN_NUMBER "1" at 226.25,140.48 h0.8 r180; PIN_NUMBER "2" at 226.31,141.63 h0.8 r180
C264: PIN_NUMBER "1" at 250.25,140.48 h0.8 r180; PIN_NUMBER "2" at 250.31,141.63 h0.8 r180
C265: PIN_NUMBER "1" at 274.25,140.48 h0.8 r180; PIN_NUMBER "2" at 274.31,141.63 h0.8 r180
C266: PIN_NUMBER "1" at 298.25,140.48 h0.8 r180; PIN_NUMBER "2" at 298.31,141.63 h0.8 r180
C267: PIN_NUMBER "1" at 322.25,140.48 h0.8 r180; PIN_NUMBER "2" at 322.31,141.63 h0.8 r180
C268: PIN_NUMBER "1" at 346.25,140.48 h0.8 r180; PIN_NUMBER "2" at 346.31,141.63 h0.8 r180
C269: PIN_NUMBER "1" at 370.25,140.48 h0.8 r180; PIN_NUMBER "2" at 370.31,141.63 h0.8 r180
C270: PIN_NUMBER "1" at 225.47,137.52 h0.8; PIN_NUMBER "2" at 225.41,136.37 h0.8
C271: PIN_NUMBER "1" at 249.47,137.52 h0.8; PIN_NUMBER "2" at 249.41,136.37 h0.8
C272: PIN_NUMBER "1" at 273.47,137.52 h0.8; PIN_NUMBER "2" at 273.41,136.37 h0.8
C273: PIN_NUMBER "1" at 297.47,137.52 h0.8; PIN_NUMBER "2" at 297.41,136.37 h0.8
C274: PIN_NUMBER "1" at 321.47,137.52 h0.8; PIN_NUMBER "2" at 321.41,136.37 h0.8
C275: PIN_NUMBER "1" at 345.47,137.52 h0.8; PIN_NUMBER "2" at 345.41,136.37 h0.8
C276: PIN_NUMBER "1" at 369.47,137.52 h0.8; PIN_NUMBER "2" at 369.41,136.37 h0.8
C277: PIN_NUMBER "1" at 226.99,136.9 h0.8; PIN_NUMBER "2" at 226.96,135.1 h0.8
C278: PIN_NUMBER "1" at 250.99,136.9 h0.8; PIN_NUMBER "2" at 250.96,135.1 h0.8
C279: PIN_NUMBER "1" at 274.99,136.9 h0.8; PIN_NUMBER "2" at 274.96,135.1 h0.8
C280: PIN_NUMBER "1" at 298.99,136.9 h0.8; PIN_NUMBER "2" at 298.96,135.1 h0.8
C281: PIN_NUMBER "1" at 322.99,136.9 h0.8; PIN_NUMBER "2" at 322.96,135.1 h0.8
C282: PIN_NUMBER "1" at 346.99,136.9 h0.8; PIN_NUMBER "2" at 346.96,135.1 h0.8
C283: PIN_NUMBER "1" at 370.99,136.9 h0.8; PIN_NUMBER "2" at 370.96,135.1 h0.8
C284: PIN_NUMBER "1" at 193.09,134.61 h0.8 r90; PIN_NUMBER "2" at 194.24,134.55 h0.8 r90
C285: PIN_NUMBER "1" at 228.37,129.65 h0.8 r180; PIN_NUMBER "2" at 228.39,132.85 h0.8 r180
C286: PIN_NUMBER "1" at 252.37,129.65 h0.8 r180; PIN_NUMBER "2" at 252.39,132.85 h0.8 r180
C287: PIN_NUMBER "1" at 276.37,129.65 h0.8 r180; PIN_NUMBER "2" at 276.39,132.85 h0.8 r180
C288: PIN_NUMBER "1" at 300.37,129.65 h0.8 r180; PIN_NUMBER "2" at 300.39,132.85 h0.8 r180
C289: PIN_NUMBER "1" at 324.37,129.65 h0.8 r180; PIN_NUMBER "2" at 324.39,132.85 h0.8 r180
C290: PIN_NUMBER "1" at 348.37,129.65 h0.8 r180; PIN_NUMBER "2" at 348.39,132.85 h0.8 r180
C291: PIN_NUMBER "1" at 372.37,129.65 h0.8 r180; PIN_NUMBER "2" at 372.39,132.85 h0.8 r180
C292: PIN_NUMBER "1" at 226.35,124.35 h0.8; PIN_NUMBER "2" at 226.33,121.15 h0.8
C293: PIN_NUMBER "1" at 250.35,124.35 h0.8; PIN_NUMBER "2" at 250.33,121.15 h0.8
C294: PIN_NUMBER "1" at 274.35,124.35 h0.8; PIN_NUMBER "2" at 274.33,121.15 h0.8
C295: PIN_NUMBER "1" at 298.35,124.35 h0.8; PIN_NUMBER "2" at 298.33,121.15 h0.8
C296: PIN_NUMBER "1" at 322.35,124.35 h0.8; PIN_NUMBER "2" at 322.33,121.15 h0.8
C297: PIN_NUMBER "1" at 346.35,124.35 h0.8; PIN_NUMBER "2" at 346.33,121.15 h0.8
C298: PIN_NUMBER "1" at 370.35,124.35 h0.8; PIN_NUMBER "2" at 370.33,121.15 h0.8
C299: PIN_NUMBER "1" at 183.09,122.11 h0.8 r90; PIN_NUMBER "2" at 184.24,122.05 h0.8 r90
C300: PIN_NUMBER "1" at 188.13,120.89 h0.8 r270; PIN_NUMBER "2" at 186.98,120.95 h0.8 r270
C301: PIN_NUMBER "1" at 204.24,118.9 h0.8; PIN_NUMBER "2" at 204.21,117.1 h0.8
C302: PIN_NUMBER "1" at 228.23,117.1 h0.8 r180; PIN_NUMBER "2" at 228.26,118.9 h0.8 r180
C303: PIN_NUMBER "1" at 252.23,117.1 h0.8 r180; PIN_NUMBER "2" at 252.26,118.9 h0.8 r180
C304: PIN_NUMBER "1" at 276.23,117.1 h0.8 r180; PIN_NUMBER "2" at 276.26,118.9 h0.8 r180
C305: PIN_NUMBER "1" at 300.23,117.1 h0.8 r180; PIN_NUMBER "2" at 300.26,118.9 h0.8 r180
C306: PIN_NUMBER "1" at 324.23,117.1 h0.8 r180; PIN_NUMBER "2" at 324.26,118.9 h0.8 r180
C307: PIN_NUMBER "1" at 348.23,117.1 h0.8 r180; PIN_NUMBER "2" at 348.26,118.9 h0.8 r180
C308: PIN_NUMBER "1" at 226.25,116.48 h0.8 r180; PIN_NUMBER "2" at 226.31,117.63 h0.8 r180
C309: PIN_NUMBER "1" at 250.25,116.48 h0.8 r180; PIN_NUMBER "2" at 250.31,117.63 h0.8 r180